# Altium PCB Cyber_VCM_Board.PcbDoc (continued)
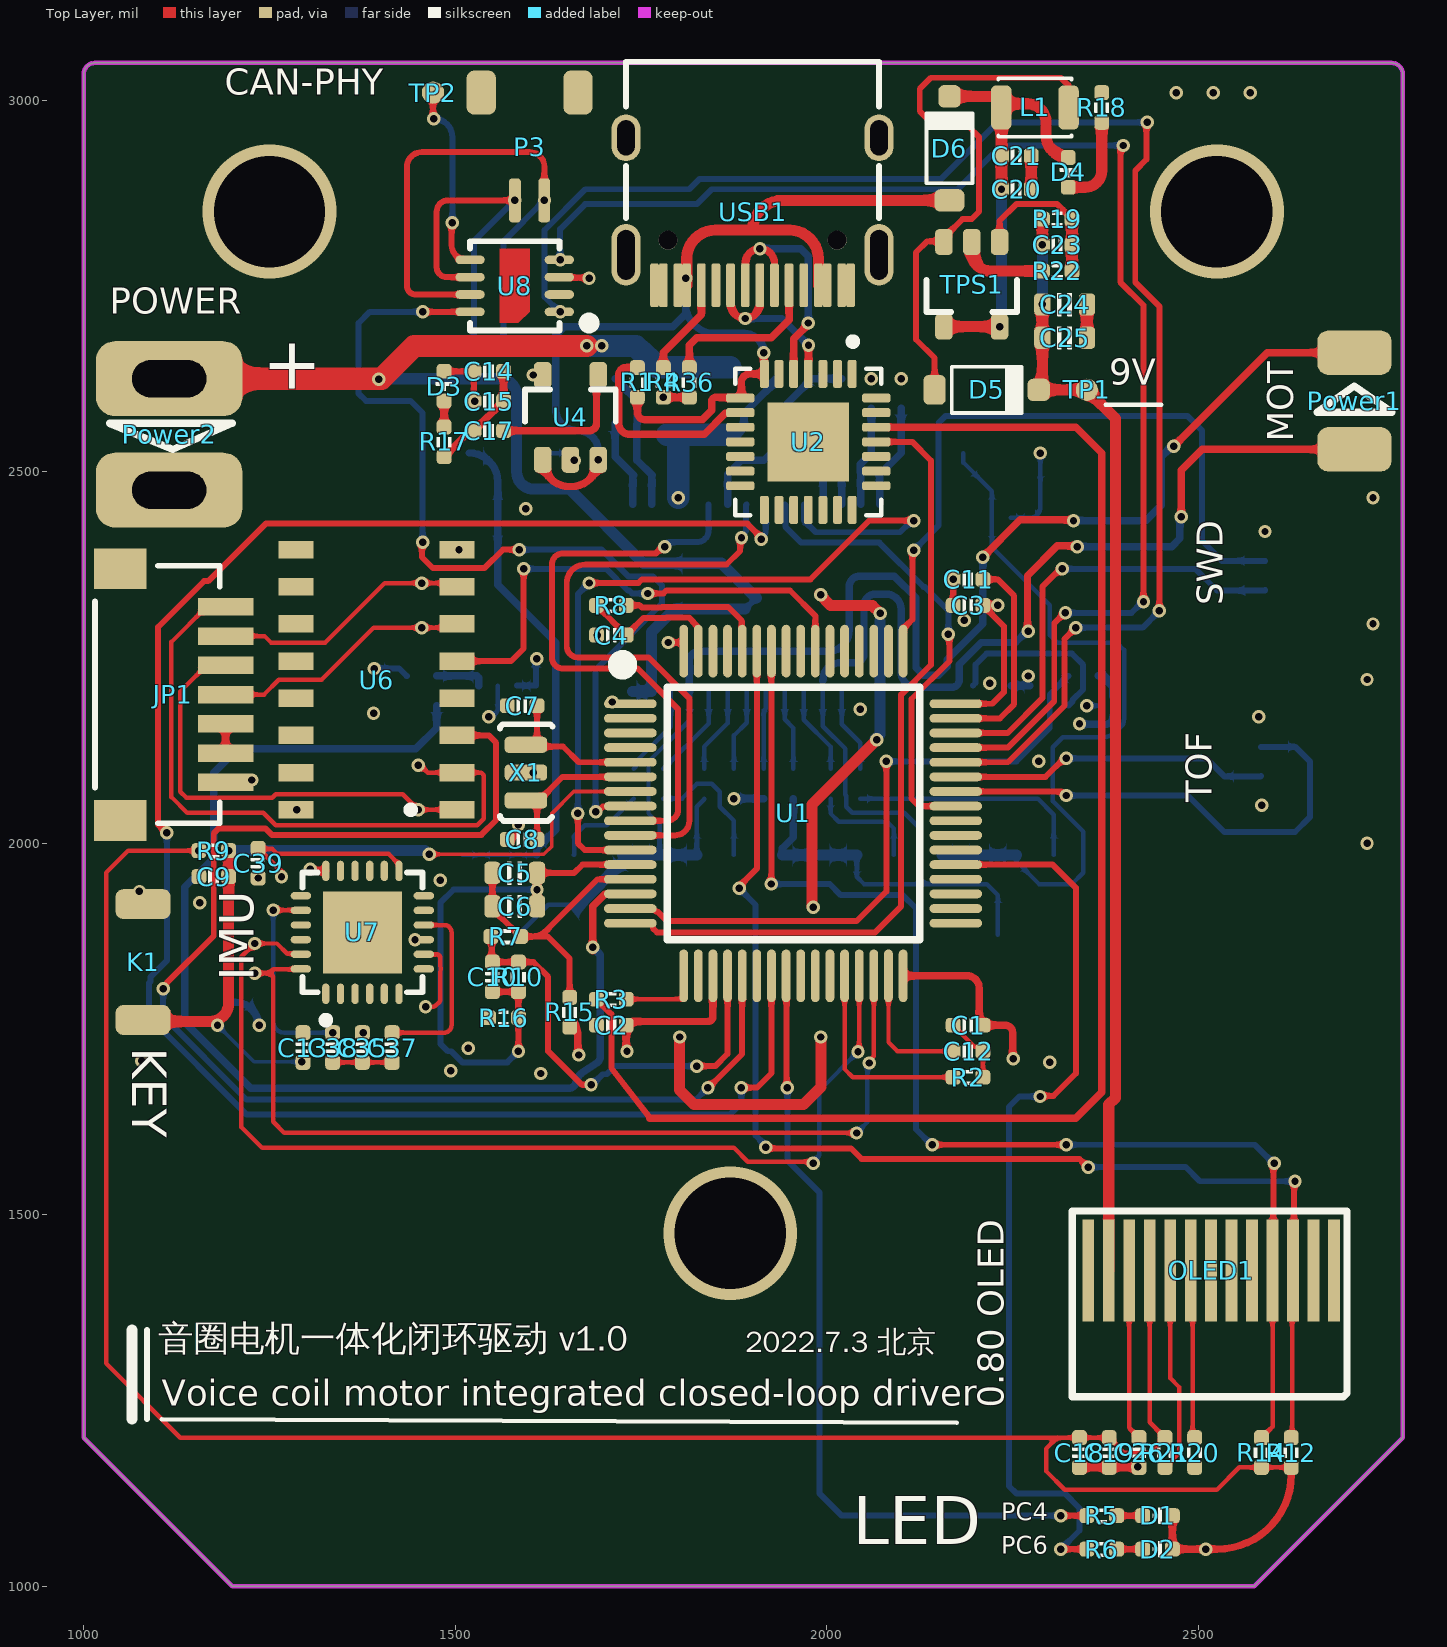
[diagram p0: Top Layer view]
## Footprints (in the part's own frame and the unit in brackets; to place one, negate y for a bottom-side part, rotate by r counter-clockwise, add the part's x,y. Pads: shape width x height; smd on the part's side, far side on the other; paste and mask are expansions set on the pad)
0603-CAP [mil]
  rrect50% 22x30 smd: 1(-30,0) 2(30,0)
  silkscreen extent -10,-15 10,15, body extent -31,-16 31,16, height 31
1206-RES [mil]
  rrect50% 37.64x63.38 smd paste+0 mask+0: 1(-51.22,0) 2(51.22,0)
  silkscreen extent -21,-33 21,33, body extent -61,-31 61,31, height 26
2520-L [mm]
  rrect50% 0.7x1.5 smd: 1(-1.15,0) 2(1.15,0)
  silkscreen extent -1.25,-1 1.25,1, body extent -1,-0.6 1,0.6, height 0.92
ButtonTACT_3x4x2_180 [mil]
  rrect50% 40x74 smd: 1(-78,0) 2(78,0)
  body extent -79,-49 79,49, height 63
CAP_0402 [mil]
  rrect50% 20x20 smd: 1(-20,0) 2(20,0)
  silkscreen extent -6,-9 6,9, body extent -20,-10 20,10, height 20
DFN3x3-8 [mm] "SIT1050TK"
  oval 0.3x1 smd: 1(-0.889,-1.524) 2(-0.296,-1.524) 3(0.296,-1.524) 4(0.889,-1.524) 5(0.889,1.524) 6(0.296,1.524) 7(-0.296,1.524) 8(-0.889,1.524)
  Top Layer region: -1.27,0.508 1.27,0.508 1.27,-0.508 -0.889,-0.508 -1.27,-0.127
  silkscreen extent -1.52,-2.64 1.52,1.52, body extent -1.5,-1.55 1.5,1.55, height 1.06
LED_0402_BLUE [mil]
  rrect50% 20x20 smd: 1(-20,0) 2(20,0)
  silkscreen extent -6,-10 6,10, body extent -20,-10 20,10, height 18
OLED12880 [mm] "OLED12880"
  rect 3.5x0.4 smd: 1(-7.874,3.766) 2(-7.874,3.066) 3(-7.874,2.366) 4(-7.874,1.666) 5(-7.874,0.966) 6(-7.874,0.266) 7(-7.874,-0.434) 8(-7.874,-1.134) 9(-7.874,-1.834) 10(-7.874,-2.534) 11(-7.874,-3.234) 12(-7.874,-3.934) 13(-7.874,-4.634)
  silkscreen extent -12.19,-5.08 -5.84,4.32, body extent -12.75,-6.5 14.97,6, height 1.55
QFN-24 [mm] "QFN, 24-Leads, Body 4.1x4.1mm (max), Pitch 0.50mm, IPC Low Density"
  oval 0.7x0.25 smd: 1(-2.1,1.25) 2(-2.1,0.75) 3(-2.1,0.25) 4(-2.1,-0.25) 5(-2.1,-0.75) 6(-2.1,-1.25) 13(2.1,-1.25) 14(2.1,-0.75) 15(2.1,-0.25) 16(2.1,0.25) 17(2.1,0.75) 18(2.1,1.25)
  oval 0.25x0.7 smd: 7(-1.25,-2.1) 8(-0.75,-2.1) 9(-0.25,-2.1) 10(0.25,-2.1) 11(0.75,-2.1) 12(1.25,-2.1) 19(1.25,2.1) 20(0.75,2.1) 21(0.25,2.1) 22(-0.25,2.1) 23(-0.75,2.1) 24(-1.25,2.1)
  rect 2.8x2.7 smd: ""(0,0)
  silkscreen extent -3.12,-2.05 2.05,2.05, body extent -2.02,-2.02 2.02,2.02, height 0.95
QFN-28 [mil]
  rrect50% 38x12 smd mask+5: 1(-91.5,59.06) 2(-91.5,39.37) 3(-91.5,19.68) 4(-91.5,0) 5(-91.5,-19.68) 6(-91.5,-39.37) 7(-91.5,-59.06) 15(91.5,-59.06) 16(91.5,-39.37) 17(91.5,-19.68) 18(91.5,0) 19(91.5,19.68) 20(91.5,39.37) 21(91.5,59.06)
  rrect50% 12x38 smd mask+5: 8(-59.06,-91.5) 9(-39.37,-91.5) 10(-19.68,-91.5) 11(0,-91.5) 12(19.68,-91.5) 13(39.37,-91.5) 14(59.06,-91.5) 22(59.06,91.5) 23(39.37,91.5) 24(19.68,91.5) 25(0,91.5) 26(-19.68,91.5) 27(-39.37,91.5) 28(-59.06,91.5)
  rect 106.3x110.24 smd: 29(0,0)
  silkscreen extent -140,-99 99,99, body extent -99,-99 98,98, height 35
RES_0402 [mil]
  rrect50% 20x20 smd: 1(-20,0) 2(20,0)
  silkscreen extent -7,-10 7,10, body extent -20,-10 20,10, height 14
RES_0603 [mil]
  rrect50% 22x30 smd: 1(-30,0) 2(30,0)
  silkscreen extent -15,-16 15,16, body extent -31,-16 31,16, height 18
SH1.0-2P [mm]
  rrect50% 0.4x1.5 smd: 1(-0.5,0) 2(0.5,0)
  rrect50% 1x1.5 smd: SH1(-1.651,-3.683) SH2(1.651,-3.683)
  body extent -2,-4.42 2,0.54, height 3.06
SH1.0-3P [mm]
  rrect50% 0.4x1.5 smd: 1(-1,0) 2(0,0) 3(1,0)
  rrect50% 1x1.5 smd: SH1(-2.159,-3.683) SH2(2.159,-3.683)
  body extent -2.5,-4.42 2.5,0.54, height 3.06
SH1.0-4P [mm]
  rrect50% 0.6x1.9 smd: 1(-1.5,1.8) 2(-0.5,1.8) 3(0.5,1.8) 4(1.5,1.8)
  rrect50% 1.4x1.8 smd: SH1(-2.8,-1.8) SH2(2.8,-1.8)
  silkscreen extent -2.9,-2.67 2.9,1.6, body extent -3,-2.79 3,2.16, height 2.96
SH1.0-7P-L [mm]
  rect 1.4x1.8 smd: 0(-4.3,-1.8) 0(4.3,-1.8)
  rect 0.6x1.9 smd: 1(-3,1.8) 2(-2,1.8) 3(-1,1.8) 4(0,1.8) 5(1,1.8) 6(2,1.8) 7(3,1.8)
  silkscreen extent -4.4,-2.67 4.4,1.6, body extent -4.5,-2.79 4.5,2.16, height 2.96
SO8FL [mm] "DFN5 5x6, 1.27P  (SO-8FL)  CASE 488AA"
  rect 0.9x0.6 on Bottom Paste: 7(0,-0.55) 7(0,0.3) 7(0,1.15) 7(0,2) 9(-1.15,-0.55) 9(-1.15,0.3) 9(-1.15,1.15) 9(-1.15,2) 10(1.15,-0.55) 10(1.15,0.3) 10(1.15,1.15) 10(1.15,2)
  rect 0.6x0.9 on Bottom Paste: 11(-1.875,3) 11(-0.65,3) 11(0.65,3) 11(1.875,3)
  rect 4.2x2.2 smd paste-10 mask+0.075: D(0,0) D(0,1.35)
  rect 4.7x1.5 smd paste-10 mask+0.075: D(0,2.75)
  rect 0.7x1.15 smd paste-0.05 mask+0.075: G(1.905,-2.725) S(-1.905,-2.725) S(-0.635,-2.725) S(0.635,-2.725)
  body extent -2.57,-2.95 2.58,3.2, height 1.13
SOD-123 [mil]
  rrect50% 30x40 smd: 1(-70,0)
  rrect50% 30x30 smd: 2(70,0)
  silkscreen extent -47,-31 47,31, body extent -77,-35 77,35, height 46
SOP16 [mm]
  rect 0.6x1.2 smd: 1(-4.318,-2.727) 2(-3.048,-2.727) 3(-1.778,-2.727) 4(-0.508,-2.727) 5(0.762,-2.727) 6(2.032,-2.727) 7(3.302,-2.727) 8(4.572,-2.727) 9(4.572,2.773) 10(3.302,2.773) 11(2.032,2.773) 12(0.762,2.773) 13(-0.508,2.773) 14(-1.778,2.773) 15(-3.048,2.773) 16(-4.318,2.773)
  silkscreen extent -4.44,-1.27 -4.19,-1.02, body extent -4.87,-3 5.13,3, height 1.9
"SOP65 P640X120-8N" [mm]
  rrect25% 1.27x0.381 smd: 1(-2.87,0.975) 2(-2.87,0.325) 3(-2.87,-0.325) 4(-2.87,-0.975) 5(2.87,-0.975) 6(2.87,-0.325) 7(2.87,0.325) 8(2.87,0.975)
  silkscreen extent -2.64,-1.5 2.2,1.62, body extent -3.2,-1.5 3.2,1.5, height 1.2
SOT23-5 [mm] "SOT23, 3-Leads, Body 3.1x3.0mm (max), Pitch 0.95mm, IPC Medium Density"
  rrect50% 0.889x0.6 smd: 1(-1.5,0.95) 2(-1.5,0) 3(-1.5,-0.95) 4(1.396,-0.95) 5(1.396,0.95)
  silkscreen extent -0.2,-1.55 0.9,1.55, body extent -1.48,-1.45 1.32,1.45, height 1.2
TP-R30 [mil]
  round 30 smd paste-30 mask+3: 1(0,0)
  body extent -18,-18 18,18, height 10
TSSOP28_n [mm] "9.8*6.4*1mm（长宽高）"
  rect 1.4x0.3 smd: 1(-3.2,4.225)
  rect 3.048x5.08 smd: 1(0,0)
  oval 1.4x0.3 smd: 2(-3.2,3.575) 3(-3.2,2.925) 4(-3.2,2.275) 5(-3.2,1.625) 6(-3.2,0.975) 7(-3.2,0.325) 8(-3.2,-0.325) 9(-3.2,-0.975) 10(-3.2,-1.625) 11(-3.2,-2.275) 12(-3.2,-2.925) 13(-3.2,-3.575) 14(-3.2,-4.225) 15(3.2,-4.225) 16(3.2,-3.575) 17(3.2,-2.925) 18(3.2,-2.275) 19(3.2,-1.625) 20(3.2,-0.975) 21(3.2,-0.325) 22(3.2,0.325) 23(3.2,0.975) 24(3.2,1.625) 25(3.2,2.275) 26(3.2,2.925) 27(3.2,3.575) 28(3.2,4.225)
  silkscreen extent -3.3,-4.83 2.03,4.96, body extent -3.2,-4.9 3.2,4.9, height 1.03
TX60电源 [mil] "长：18.8mm， 宽：16mm，高：8.6mm"
  rrect50% 100.85x196.85 hole 100 slot 50 at 0 deg: 1(-75,-5) 2(75,-5)
  silkscreen extent -15,-85 20,80
Type-C-TOP [mm]
  round 0.65 hole 0.65: 0(-0.98,2.89) 0(-0.98,-2.89)
  oval 1.6x1 hole 0.6 slot 1.2 at 0 deg: 1(2.52,4.325) 2(2.52,-4.325)
  oval 2.1x1 hole 0.6 slot 1.7 at 0 deg: 3(-1.48,-4.325) 4(-1.48,4.325)
  rrect50% 1.5x0.3 smd: A1(-2.52,-3.35) A4(-2.52,-2.55) A5(-2.52,-1.25) A6(-2.52,-0.25) A7(-2.52,0.25) A8(-2.52,1.25) A9(-2.52,2.55) A12(-2.52,3.35) B1(-2.52,3.05) B4(-2.52,2.25) B5(-2.52,1.75) B6(-2.52,0.75) B7(-2.52,-0.75) B8(-2.52,-1.75) B9(-2.52,-2.25) B12(-2.52,-3.05)
  silkscreen extent -0.22,-4.33 5.12,4.33, body extent -2.57,-4.48 5.18,4.48, height 3.26
主控芯片LQFP64-10*10 [mm] "10x10mm，0.5mm       淘宝ID:黄晶宝石"
  oval 0.3x1.8 smd: 1(-3.75,-5.575) 2(-3.25,-5.575) 3(-2.75,-5.575) 4(-2.25,-5.575) 5(-1.75,-5.575) 6(-1.25,-5.575) 7(-0.75,-5.575) 8(-0.25,-5.575) 9(0.25,-5.575) 10(0.75,-5.575) 11(1.25,-5.575) 12(1.75,-5.575) 13(2.25,-5.575) 14(2.75,-5.575) 15(3.25,-5.575) 16(3.75,-5.575) 33(3.75,5.55) 34(3.25,5.55) 35(2.75,5.55) 36(2.25,5.55) 37(1.75,5.55) 38(1.25,5.55) 39(0.75,5.55) 40(0.25,5.55) 41(-0.25,5.55) 42(-0.75,5.55) 43(-1.25,5.55) 44(-1.75,5.55) 45(-2.25,5.55) 46(-2.75,5.55) 47(-3.25,5.55) 48(-3.75,5.55)
  oval 1.8x0.3 smd: 17(5.55,-3.75) 18(5.55,-3.25) 19(5.55,-2.75) 20(5.55,-2.25) 21(5.55,-1.75) 22(5.55,-1.25) 23(5.55,-0.75) 24(5.55,-0.25) 25(5.55,0.25) 26(5.55,0.75) 27(5.55,1.25) 28(5.55,1.75) 29(5.55,2.25) 30(5.55,2.75) 31(5.55,3.25) 32(5.55,3.75) 49(-5.55,3.75) 50(-5.55,3.25) 51(-5.55,2.75) 52(-5.55,2.25) 53(-5.55,1.75) 54(-5.55,1.25) 55(-5.55,0.75) 56(-5.55,0.25) 57(-5.55,-0.25) 58(-5.55,-0.75) 59(-5.55,-1.25) 60(-5.55,-1.75) 61(-5.55,-2.25) 62(-5.55,-2.75) 63(-5.55,-3.25) 64(-5.55,-3.75)
  silkscreen extent -5.33,-6.09 4.32,4.32, body extent -6,-6 6,6, height 1.45
晶振-3P [mm] "贴片晶振"
  rrect50% 0.55x1.45 smd: 1(-0.95,0) 2(0,0) 3(0.95,0)
  silkscreen extent -1.65,-0.89 1.65,0.91, body extent -1.6,-0.89 1.65,0.89, height 0.7
音圈电机电源接口 [mil]
  rrect50% 60x100 / inner rrect50% 0x0 / far side rrect50% 0x0 all layers, no hole: 1(120,150) 2(250,150)
  silkscreen extent 170,100 205,200

## Part data
C1 C2 C3 C4 C7 C8 C9 C10 C11 C12 C13 C14 C15 C16 C17 C18 C19 C20 C21 C22 C23 C26 C31 C32 C33 C35 C36 C37 C38 C39: library part 电容-0402, "Capacitor"
C5 C6 C24 C25 C27 C30 C34: library part 电容-0603, "Capacitor"
C28 C29: library part 电容-1206, "Capacitor"
D1 D2 D3 D4: library part LED_0402, "LED", Type=0402
D5 D6: "40V"
K1: library part ButtonTACT_3x4x2_180, "Button", Type="TACT 2P"
L1: library part 电感-0805, "磁珠"
OLED1: "12880寸OLED"
P1: "Header"
P2: library part SH1.0-4P, BOM名称=4P接插件, 厂商=JST
Power1 Power2: "12~24VDC电源"
Q1 Q2 Q3 Q4: "MOSFET N-CH 30V 13A SO8FL", Current - Continuous Drain (Id) @ 25°C="13A (Ta), 93A (Tc)", Drain to Source Voltage (Vdss)=30V, Drive Voltage (Max Rds On,  Min Rds On)="4.5V, 10V", Input Capacitance (Ciss) (Max) @ Vds="4850pF @ 15V", Manufacturer="ON Semiconductor", Operating Temperature="-55°C ~ 150°C (TJ)", Package / Case="8-PowerTDFN, 5 Leads", Power Dissipation (Max)="930mW (Ta), 48W (Tc)", Supplier Device Package="5-DFN (5x6) (8-SOFL)", Supplier Part Number 1=NTMFS4935NT1GOSCT-ND, Category="Discrete Semiconductor Products", ComponentLink1Description=http://www.onsemi.com/pub_link/Collateral/NTMFS4935N-D.PDF, ComponentLink1URL=http://www.onsemi.com/pub_link/Collateral/NTMFS4935N-D.PDF, FET Feature=-, FET Type=N-Channel, Gate Charge (Qg) (Max) @ Vgs="49.4nC @ 10V", Manufacturer Part Number=NTMFS4935NT1G, Mounting Type="Surface Mount", Packaging="Cut Tape (CT)", Part Status=Active, Pricing 1="1=0.61, 10=0.541, 100=0.4145, 500=0.3277 (USD)", Rds On (Max) @ Id, Vgs="3.2 mOhm @ 30A, 10V", RoHS="RoHS Compliant", Stock 1=932, Supplier 1=Digi-Key, Technology="MOSFET (Metal Oxide)", Vgs (Max)=±20V, Vgs(th) (Max) @ Id="2.2V @ 250µA"
R1 R2 R3 R4 R5 R6 R8 R9 R10 R11 R12 R13 R14 R15 R16 R17 R18 R19 R20 R21 R22 R25 R26 R27 R28 R29 R30 R31 R32 R33 R36: library part 电阻-0402, "Resistor"
R7: "THERMISTOR 10K OHM NTC 0402 SMD"
R23 R24: library part 电阻-0603, "Resistor"
R34 R35: library part 电阻-1206, "Resistor"
TP1 TP2: "SMD test pin"
U1: "ARM Cortex-M4 32-bit MCU+FPU, 210 DMIPS, 1024 kB Flash, 192 kB Internal RAM, 51 I/Os, 64-pin LQFP, -40 to 85 degC, Tray", I/Os (High Current)=51, Manufacturer=STMicroelectronics, Operating Frequency(F) (Processor speed) (MHz)=168, Supplier Part Number 1=497-11767-ND, Supply Voltage(Vcc) max (V)=3.6, Supply Voltage(Vcc) min (V)=1.8, ComponentLink1Description="Manufacturer URL", ComponentLink1URL=http://www.st.com/web/en/home.html, ComponentLink2Description=Datasheet, ComponentLink2URL=http://www.st.com/st-web-ui/static/active/en/resource/technical/document/datasheet/DM00037051.pdf, ComponentLink3Description="Package Specification", ComponentLink3URL=http://www.st.com/st-web-ui/static/active/en/resource/technical/document/datasheet/DM00037051.pdf, Core="ARM Cortex-M4", D/A Converter=2x12-bit, DatasheetVersion="Rev. 4", FLASH Size (Prog) (kB)=1024, Internal RAM Size (kB)=192, Mounting Technology="Surface Mount", PackageDescription="64-Pin Low Profile Quad Flat Package, 10 x 10 mm Body, 0.5 mm Pitch", PackageReference=LQFP64, PackageVersion="Rev. 4, 06/2013", Packing=Tray, PartNumber=STM32F405RGT6, Supplier 1=Digi-Key, Supplier 2=Farnell, Supplier 3=Newark, Supplier 4=Mouser, Supplier Part Number 2=2064363, Supplier Part Number 3=73T2329, Supplier Part Number 4=511-STM32F405RGT6
U2: "USB转TTL", MFG #1="SILICON LABS", PART DESC="SINGLE-CHIP USB TO UART BRIDGE, QFN28, RoHS.", PART NUMBER=CP2102, RefDes=RefDes, Type=DEV
U3 U5: "-4 to 80V, bidirectional, ultra-precise current sense amplifier with enhanced PWM rejection 8-TSSOP -40 to 125", Package="TSSOP-8 Texas Instruments", Availability=Good, MF="Texas Instruments", MP=INA240A2PWR, Price=None, Purchase-URL=https://pricing.snapeda.com/search/part/INA240A2PWR/?ref=eda, SnapEDA_Link=https://www.snapeda.com/parts/INA240A2PWR/Texas%20Instruments/view-part/588604/?ref=snap
U4: library part LP2992, "LDO"
U6: "AM26C32 Quadruple Differential Line Receiver"
U7: "六轴传感器"
U8: "CAN收发器，DFN3x3-8"
USB1: library part USB-Type-C-TOP
X1: library part XTAL-3215
JP1: BOM名称=7P接插件, 厂商=JST
P4: BOM名称=4P接插件, 厂商=JST

## Via types
v1: diameter 18, hole 10, Top Layer to Bottom Layer, tented both sides, 156 vias
v2: diameter 180, hole 150, Top Layer to Bottom Layer, 3 vias

## Nets (pads, with @x,y where several pads share a name; then routed paths per layer and width w, separated by ;. In a path a pad name is that pad's centre, name@x,y a point inside that pad or via, vN(x,y) a via of type N, cw(c..) or ccw(c..) an arc to the next point about the centre after c; other vN are vias at no path point)
3V3: C1.2 C2.2 C3.2 C4.2 C14.2 C15.2 C16.2 C18.2 C19.2 C22.2 C27.2 C35.1 C39.2 D1.1 D2.1 D3.1 JP1.7 OLED1.4 P2.1 P4.1 R9.1 R12.2 R14.2 R15.2 R21.2 U1.1 U1.19 U1.32 U1.48 U1.64 U3.5 U3.6 U4.5 U5.5 U5.6 U6.16 U7.8 U7.13 U8.3 | length 4742.1
  Top Layer w4: C2.2 cw(c1735,1755) C2.2@1735,1760 ; C1.2@2205,1760 ccw(c2210,1760) C1.2
  Top Layer w6: v1(1155,1990) 1060,1990 1030,1960 1030,1300 1130,1200 2310,1200 ; C39.2 C39.2@1235.58,1992.2 ; v1@1265,1955 1265,1962.78 C39.2@1235.58,1992.2 ; U7.13 1424.21,1971.54 1410.29,1985.46 1260.44,1985.46 1253.69,1992.2 C39.2@1235.58,1992.2 ; U7.8 1474.53,1850.47 cw(c1474.53,1845) 1480,1845 1480,1834.99 ccw(c1486,1835.03) 1480.13,1833.78 cw(c1466.54,1830.79) 1480.13,1827.8 ccw(c1486,1826.55) 1480,1826.58 1480,1790.27 cw(c1474,1790.27) 1478.26,1786.05 1473.95,1781.74 cw(c1469.73,1786) 1469.73,1780 v1(1460,1780) ; OLED1.4 2434.41,1220.59 R21.2 2435,1180 2400,1180 C19.2 C18.2 2310,1200 ; R12.2 R14.2 2555,1160 2525,1130 2320,1130 2295,1155 2295,1185 2310,1200
  Top Layer w8: D3.1 C14.2 C15.2 ; U8.3 1640.73,2760.94 1679.06,2760.94 v1(1680,2760) ; v1(1786.75,2270) 1805.6,2270 1807.36,2268.24 U1.64 ; U1.48 2222.64,2187.64 2238.11,2203.11 2238.11,2291.89 C3.2
  Top Layer w10: R15.2 cw(c1653.99,1741.41) 1665,1741.41 v1@1665,1715 ; v1@1730,1720 C2.2 ; C2.2@1735,1760 1840,1760 ccw(c1840,1766.73) 1846.73,1766.73 U1.19 ; U1.32 2188.5,1821.5 cw(c2188.5,1805) 2205,1805 C1.2@2205,1760 ; C1.2 2240,1755 cw(c2240,1745) 2250,1745 v1@2250,1710 ; C3.2 v1(2230,2320) ; D1.1 D2.1 v1(2510,1050) 2525,1050 ccw(c2525,1150) 2625,1150 R12.2
  Bottom Layer w4: P4.1 P4.1@1204.06,1785.94 ; v1(2340,2160.5) v1@2340.5,2160
  Bottom Layer w8: C27.2 1424.46,2235 1434.46,2225 C22.2 ; U3.6 U3.5 v1@1608.39,2248.39
  Bottom Layer w10: P4.1@1204.06,1785.94 cw(c1204.06,1755) v1@1235,1755 ; U5.6 U5.5 ; v1@2340.5,2160 2375,2160 ccw(c2375,2170) 2384.99,2169.52 cw(c2394.97,2168.96) 2386,2173.37 2386,2196.63 2385,2197.63 2385,2200.99 2385,2205 ccw(c2365,2205) C16.2
  other v1: 2251.1,1709.96 1666.1,1714.96 1731.1,1719.96 1376.1,1744.96 1236.1,1754.96 1266.1,1954.96 1286.92,2044.96 1226.1,2084.96 2581.1,2169.96 1711.1,2189.96 2271.11,2224.96 1391.1,2234.96 1609.48,2248.35 1691.1,2279.96 1526.1,2594.96 1605,2630
5V: C20.2 C21.2 D4.1 D6.2 L1.1 TPS1.4 TPS1.5 | length 591.2
  Top Layer w15: TPS1.4 v1(2232.4,2695.06) ; D6.2 2219.72,3005 cw(c2219.72,2990) L1.1 ; v1(2235,2880) C21.2 2235,2990 L1.1 ; D4.1 cw(c2324.93,2952.56) 2295,2952.56 2295,2970 ccw(c2270,2970) 2270,2995 2239.72,2995 ccw(c2239.72,2990) L1.1
  Bottom Layer w15: v1(2232.4,2695.06) 2232.4,2695.87 2235,2698.47 v1(2235,2880)
9V: C23.2 C24.2 C25.2 D5.2 OLED1.2 R19.2 TP1.1 | length 1502.6
  Top Layer w15: v1(2290,2725) C25.2 2290,2615 cw(c2285,2615) D5.2 2290,2610 TP1.1 2388.5,2571.5 2388.5,1657.34 2379.29,1648.13 OLED1.2 ; v1(2290,2805) R19.2
  Bottom Layer w15: v1(2290,2725) v1(2290,2805)
A+: JP1.3 R23.2 U6.1 | length 596.6
  Top Layer w6: JP1.3 1165.27,2239.37 1130,2204.1 1130,2069.33 1138.25,2061.08 1253.75,2061.08 1258.48,2065.81 1429.19,2065.81 v1(1450,2045) U6.1
A-: JP1.1 R23.1 U6.2 | length 893.7
  Top Layer w6: JP1.1 1165.28,2318.11 1118,2270.84 1118,2062 1139,2041 1241.67,2041 1258.48,2024.19 1529.71,2024.19 1538.5,2032.98 1538.5,2091.49 1534.98,2095 U6.2 1463.25,2095 1453.25,2105 v1(1450,2105)
AGND: C5.1 C6.1 C10.1 R10.1 R16.1 U1.12 | length 738.9
  Top Layer w8: C10.1 R10.1 R16.1 v1(1585,1720) ; C6.1 v1(1610,1937.5) C5.1 1660,1960 1671.1,1971.1 U1.12
  Bottom Layer w8: v1(1585,1720) 1570.02,1705.02 1509.6,1705.02 1494.61,1720 1490,1720 1480,1730 1480,1920 1497.5,1937.5 v1(1610,1937.5)
AVCC: C5.2 C6.2 R7.2 R15.1 U1.13 | length 385.4
  Top Layer w8: C5.2 C6.2 1550,1911.75 1587.37,1874.39 R7.2 1614.39,1874.39 ; R15.1 1653.99,1844.79 1624.39,1874.39 1614.39,1874.39 ; U1.13 1691.42,1951.42 1614.39,1874.39
AVCC_C: C10.2 R7.1 R10.2 U1.20 | length 600.8
  Top Layer w8: R7.1 1548.95,1873.34 1548.95,1841.05 C10.2 R10.2 1605,1840 1625,1820 1625,1720 1670,1675 v1(1682.72,1675) ; v1(1825,1700) 1850,1700 1866.42,1716.42 U1.20
  Bottom Layer w8: v1(1682.72,1675) 1684.34,1675 1698.38,1689.04 1704.04,1689.04 1715,1700 v1(1825,1700)
B+: JP1.4 R24.2 U6.6 | length 350.8
  Top Layer w6: JP1.4 1242.63,2200 1262.63,2220 1320,2220 1390,2290 v1(1455,2290) 1497.36,2290 U6.6
B-: JP1.2 R24.1 U6.7 | length 350.3
  Top Layer w6: JP1.2 1243.26,2278.74 1252,2270 1325,2270 1405,2350 v1(1455,2350) 1497.36,2350 U6.7
BAT: *1.1 *1.13 *1.14 C28.2 C29.2 Power2.1 Q1.D Q2.D | length 2610.4
  Top Layer w15: v1(1801.94,1739.12) 1801.94,1668.06 1821.5,1648.5 1968.5,1648.5 1991.94,1671.94 v1(1991.94,1739.12) ; v1@1980,1914.89 1980,2052.18 v1(2066.94,2139.12) ; v1@1990,2335 2005,2320 2061.06,2320 v1(2071.94,2309.12)
  Top Layer w30: Power2.1 1400.67,2625 1444.79,2669.12 v1(1676.94,2669.12)
  Bottom Layer w6: *1.1@1890,2315 *1.1@1905,2330
  Bottom Layer w15: v1@1395,2625 1559.54,2625 cw(c1559.54,2601.95) 1582.59,2601.95 1582.59,2499.54 ccw(c1605.64,2499.54) 1605.64,2476.49 1653.51,2476.49 1753.38,2376.62 1858.38,2376.62 *1.1@1905,2330 ; *1.14 *1.13 1764.25,2284.25 1795,2315 *1.1@1890,2315 ; v1@2065,2140 2071.34,2146.34 2071.34,2204.02 2071.34,2298.66
  Bottom Layer w30: v1(1676.94,2669.12) v1(1696.94,2669.12) 1742.85,2669.12 1771.69,2640.28 C29.2 C28.2
  other v1: 1981.94,1914.01 1991.94,2334.12 1396.94,2624.12
BOOT0: R8.2 U1.60 | length 206
  Top Layer w8: R8.2 1748.22,2320 1751.22,2317 1777.21,2317 1778.14,2317.94 1867.06,2317.94 1885.37,2299.63 1885.37,2259.23 U1.60
BOOT1: R2.2 U1.28 | length 276.1
  Top Layer w6: U1.28 2023.9,1696.1 2035,1685 R2.2
CAN_H: P3.1 R31.2 U8.7 | length 722.7
  Top Layer w8: 1485.56,2738.31 1446.69,2738.31 cw(c1446.69,2750) 1435,2750 1435,2910 cw(c1455,2910) 1455,2930 1600,2930 cw(c1600,2910) 1620,2910 1620,2865.31 P3.1 v1(1620,2865) ; 1485.58,2738.33 U8.7
  Bottom Layer w8: R31.2 1565,2810 v1(1620,2865)
CAN_L: P3.2 R31.1 U8.6 | length 459.3
  Top Layer w8: U8.6 1488.31,2761.69 cw(c1488.31,2775) 1475,2775 1475,2850 cw(c1490,2850) 1490,2865 v1(1580,2865) P3.2
  Bottom Layer w8: R31.1 1525,2810 v1(1580,2865)
CAN_RX: U1.44 U8.1 | length 2073.9
  Top Layer w8: U1.44 2243.7,2108.9 2320,2185.2 2320,2275 v1(2335,2290) ; v1@2430,2970 2430,2920 2415,2905 2415,2754.8 2447.49,2722.3 v1(2447.49,2312.56)
  Bottom Layer w8: v1@1640,2715 1620,2735 1620,2825 1675,2880 1815,2880 1829,2894 2154,2894 2229.96,2969.96 v1(2431.1,2969.96) ; v1(2335,2290) 2425,2290 v1@2445,2310
  other v1: 1641.1,2714.96
CAN_TX: U1.45 U8.4 | length 1867.1
  Top Layer w8: U1.45 2243.58,2128.58 2306,2191 2306,2296 v1@2320,2310 ; v1@2395,2940 2395,2755 2426.1,2723.9 v1(2426.1,2324.96)
  Bottom Layer w8: v1@1640,2785 1641.1,2786.1 1641.1,2826.3 1674.8,2860 1825,2860 1845,2880 2176.03,2880 2234.89,2938.86 v1(2398.63,2938.86) ; v1(2321.1,2309.96) 2409.96,2309.96 v1@2425,2325
  other v1: 1641.1,2784.96
CP_Rx: U1.16 U2.25 | length 1087.5
  Top Layer w8: U1.16 1763.99,1892.36 1765.75,1890.6 1765.75,1885.6 1771.36,1880 2065,1880 2100,1915 2100,2199.8 2140,2239.8 2140,2515 2115,2540 U2.25
CP_Tx: R3.1 U1.17 | length 106.8
  Top Layer w6: R3.1 1803.82,1790 1807.36,1793.54 U1.17
Encode_A: U1.21 U6.3 | length 1785.9
  Top Layer w8: v1@1105.11,1805 1111.94,1811.83 1111.94,1811.94 1175,1875 1175,2013.16 1181.84,2020 1244.28,2020 1253.09,2011.19 1535.1,2011.19 1555,2031.09 1555,2135 1545,2145 U6.3 ; v1(1840,1671) 1840.8,1671 1886.1,1716.3 U1.21
  Bottom Layer w8: v1(1106.94,1804.12) 1106.94,1766.85 1218.79,1655 1824,1655 v1(1840,1671)
Encode_B: U1.55 U6.5 | length 674.3
  Top Layer w8: U6.5 1575,2245 1591.94,2261.94 v1(1591.94,2369.12) ; v1(1759.09,2336) 1780.09,2336 1784.09,2340 1950.46,2340 1984.53,2305.94 U1.55
  Bottom Layer w8: v1@1590.88,2369.12 1703.12,2369.12 1732.24,2340 1734.09,2340 1738.09,2336 v1(1759.09,2336)
GHA: *1.10 R25.1 | length 129.3
  Bottom Layer w6: R25.1 1841.02,2161.02 *1.10
GHB: *1.5 R26.1 | length 118.9
  Bottom Layer w6: *1.5 1968.98,2166.02 2005,2130 R26.1
GLA: *1.12 R29.1 | length 124.8
  Bottom Layer w6: R29.1 1745.77,2105.77 1745.77,2112.53 1790,2156.77 1790,2203.86 *1.12
GLB: *1.3 R30.1 | length 114.3
  Bottom Layer w6: *1.3 2020.16,2159.84 2045,2135 R30.1
IS_A: Q3.S R34.2 U3.2 | length 705.5
  Bottom Layer w6: Q3.S@1509.72,1984.09 1559.72,1984.09 Q3.S@1609.72,1984.09
  Bottom Layer w10: R34.2 cw(c1518.78,2486.57) 1557.2,2486.57 U3.2 1557.2,2347.8 1635,2270 1635,2018.23 1609.72,1992.95 Q3.S@1609.72,1984.09
IS_B: *1.2 *1.17 *1.18 C1.1 C2.1 C3.1 C4.1 C7.1 C8.1 C9.1 C11.1 C12.1 C13.2 C14.1 C15.1 C16.1 C17.2 C18.1 C19.1 C20.1 C21.1 C22.1 C24.1 C25.1 C26.1 C27.1 C28.1 C29.1 C32.1 C33.1 C34.1 C35.2 C37.2 C38.1 C39.1 JP1.5 JP1.6 K1.2 OLED1.7 OLED1.9 OLED1.12 P1.1 P1.SH1 P1.SH2 P2.4 P2.SH1 P2.SH2 P4.4 P4.SH1 P4.SH2 Power2.2 R2.1 R4.2 R8.1 R16.2 R17.2 R18.2 R20.2 R22.1 R32.1 R33.1 R34.1 R35.1 R36.2 TPS1.2 U1.18 U1.63 U2.3 U2.29 U3.3 U3.4 U3.7 U4.2 U5.3 U5.4 U5.7 U6.8 U7.1 U7.9 U7.11 U7.18 U8.2 USB1.1 USB1.2 USB1.3 USB1.4 USB1.A1 USB1.A12 USB1.B1 USB1.B12 X1.2 | length 1532.6
  Top Layer w6: C38.1 C35.2 C37.2 ; C8.1 ccw(c1570,2020) 1585,2020 v1(1585,2025) ; C1.1 2199.23,1725.77 2204.23,1725.77 C12.1 R2.1
  Top Layer w8: R8.1 C4.1 1753,2303 1783.01,2303 1783.94,2303.94 1813.95,2303.94 1826.32,2291.57 1826.32,2259.23 U1.63 ; C3.1 v1(2170,2355)
  Top Layer w10: JP1.6 JP1.5 ; v1(1305,1965) ccw(c1307.32,1965) 1307.32,1962.68 U7.18 ; R17.2 1515,2550 1520,2550 C17.2 C15.1 C14.1 ; v1(1780,2600) R36.2 ; C18.1 C19.1 C26.1
  Top Layer w15: TPS1.2 2195,2795 ccw(c2220,2795) 2220,2770 R22.1 ; C20.1 C21.1 ; C25.1 C24.1
  Bottom Layer w6: v1(1545,2170) ccw(c1545,2182.2) 1557.2,2182.2 U3.7 ; R34.1 1650,2525 cw(c1650,2515) v1(1660,2515) ; U5.3 U5.4 ccw(c2273.39,2451.93) 2287.32,2451.93 v1(2287.32,2524.96) ; v1(2350,2185) C16.1
  Bottom Layer w10: C28.1 1879.87,2549.72 1888.5,2558.36 1888.5,2578.5 1925.31,2615.31 1925.31,2619.04 1931.27,2625 C34.1 ; v1(1875,2060) C33.1
  Bottom Layer w30: v1(1800,2465) 1800,2534.72 ccw(c1785,2534.72) C29.1 C28.1
  other v1: 2418.63,1160.71 1615,1690 1493.87,1693.87 2300,1705 1078.24,1706.93 1517.47,1724.02 1445.76,1870.16 1156,1920 1075,1935 1480,1950 1234.69,1953.09 2726.96,1999.73 2585.23,2050.91 1605,2095 2285,2110 1390,2175 2045,2180 2219.11,2215 2726.96,2220.2 2735,2295 2185,2300 1505,2395 2589.66,2419.4 1595,2450 2735,2465 2060,2625 2100,2625 2470,3010 2520,3010 2570,3010
IX_A: Q4.S R35.2 U5.2 | length 1011.8
  Bottom Layer w6: R35.2 2183.78,2512.13 2222.2,2473.7 U5.2 2222.2,2398.25 2300,2320.46 2300,2280 2310,2270 2390,2270 2400,2260 2400,2167.5 2399,2160.06 2384.94,2146 2375,2142.5 2372.51,2142.5 2317.5,2142.5 2303.94,2128.94 2303.94,2056.66 2345,2015.6 2345,1960 2330,1945 2285.51,1945 2255.28,1975.24 Q4.S@2255.28,1984.09
  Bottom Layer w15: Q4.S@2155.28,1984.09 2205.28,1984.09 Q4.S@2255.28,1984.09
LED1: R5.2 U1.24 | length 1087.5
  Top Layer w8: U1.24 1945.89,1820.77 1945.89,1672.05 v1(1946.94,1671) ; v1(2315,1095) R5.2
  Bottom Layer w8: v1(1946.94,1671) 1946.94,1573.06 1990,1530 1990,1125 2020,1095 v1(2315,1095)
LED2: R6.2 U1.37 | length 1252.4
  Top Layer w8: U1.37 2303.9,1971.1 2335,1940 2335,1690 2305,1660 v1@2285,1660 ; v1(2315,1050) R6.2
  Bottom Layer w8: v1(2286.94,1659.12) 2259.12,1659.12 2245,1645 2245,1135 2255,1125 2320,1125 2340,1105 2340,1075 v1(2315,1050)
MPU_SCL: P4.3 U1.29 U7.23 | length 1390.7
  Top Layer w6: U7.23 1291.59,1851.21 1273.79,1851.21 1260,1865 v1(1230,1865) 1212,1847 1212,1618 1240,1590 1875,1590 1893.58,1571.42 1979.64,1571.42 v1(1981.94,1569.12) ; v1@2040,1720 2043.58,1723.58 U1.29
  Bottom Layer w6: v1@1980,1570 1990,1580 1990,1667.18 v1(2041.94,1719.12)
MPU_SDA: P4.2 U1.30 U7.24 | length 1279.1
  Top Layer w6: v1(1230,1825) 1250,1825 ; U7.24 1291.59,1830.05 1255.05,1830.05 1250,1825 ; v1(2040,1610) 1270,1610 1255,1625 1255,1820 1250,1825 ; v1@2055,1705 2063.27,1713.27 U1.30
  Bottom Layer w6: v1(2040,1610) 2050,1620 2054.64,1624.64 2054.64,1701.82 v1(2056.94,1704.12)
Net*1_6: *1.6 C36.2 | length 108.8
  Bottom Layer w6: *1.6 1943.39,2166.61 1955,2155 C36.2
Net*1_7: *1.7 C33.2 | length 105.2
  Bottom Layer w6: C33.2 1915,2178 1917.8,2180.79 *1.7
Net*1_8: *1.8 C32.2 | length 111.1
  Bottom Layer w6: C32.2 1875,2145 1892.2,2162.2 *1.8
Net*1_9: *1.9 C31.1 | length 117.1
  Bottom Layer w6: C31.1 1835,2130 1866.61,2161.61 *1.9
Net*1_15: *1.15 C30.2 | length 119.9
  Bottom Layer w10: C30.2 1715,2520 1740,2495 1739.01,2494.01 1739.01,2456.33 *1.15
Net*1_16: *1.16 C30.1 | length 192.7
  Bottom Layer w10: C30.1 1718.73,2625 1724.69,2619.04 1724.69,2615.31 1745,2595 1745,2564.55 1744.47,2564.02 1744.47,2515.53 1765,2495 1764.6,2494.6 1764.6,2456.33 *1.16
Net*1_20: *1.20 C34.2 R27.2 R28.2 | length 273.6
  Bottom Layer w10: *1.20 1866.61,2496.61 1885,2515 1915,2515 1935,2535 C34.2 1935,2580 R28.2 R27.2
Net*1_25: *1.25 R28.1 | length 135.4
  Bottom Layer w10: R28.1 1980,2525 1995,2510 1995,2498.56 1994.91,2498.48 1994.91,2456.33 *1.25
Net*1_26: *1.26 R27.1 | length 129.1
  Bottom Layer w10: R27.1 2020.08,2584.92 2020.08,2456.07 *1.26
Net*1_27: *1.27 R32.2 | length 135.5
  Bottom Layer w10: *1.27 2045.4,2456.33 2045.4,2498.48 2045,2498.88 2045,2510 2060,2525 R32.2
Net*1_28: *1.28 R33.2 | length 142
  Bottom Layer w10: *1.28 2070.99,2456.33 2070.99,2494.01 2070,2495 2100,2525 R33.2
NetC11_2: C11.2 U1.47 | length 283.6
  Top Layer w8: U1.47 2232.95,2167.95 2252.11,2187.11 2252.11,2332.89 2230,2355 C11.2
NetC12_2: C12.2 U1.31 | length 181.5
  Top Layer w6: U1.31 2082.95,1732.05 2095,1720 C12.2
NetC17_1: C17.1 U4.4 | length 196.6
  Top Layer w10: C17.1 1680,2555 ccw(c1680,2565) 1690,2565 1690,2627.54 U4.4
NetC23_1: C23.1 R19.1 R22.2 TPS1.1 | length 213.6
  Top Layer w8: TPS1.1 2232.4,2837.4 2255,2860 2310,2860 R19.1
  Top Layer w15: R22.2 C23.1 R19.1
NetC26_2: C26.2 OLED1.3 | length 230.4
  Top Layer w6: OLED1.3 2406.85,1213.15 C26.2
NetC37_1: C37.1 U7.10 | length 253.6
  Top Layer w6: C37.1 1485,1745 ccw(c1485,1755) 1495,1755 1495,1880 ccw(c1485.16,1880) 1485.16,1889.84 U7.10
NetC38_2: C38.2 U7.20 | length 276.1
  Top Layer w6: v1(1255,1910) 1255.24,1909.76 1292.09,1909.76 U7.20
  Bottom Layer w6: v1(1255,1910) 1255,1760 ccw(c1270,1760) 1270,1745 v1(1335,1745)
NetD1_2: D1.2 R5.1 | length 35
  Top Layer w8: R5.1 D1.2
NetD2_2: D2.2 R6.1 | length 30
  Top Layer w8: R6.1 D2.2@2420,1050
NetD3_2: D3.2 R17.1 | length 35
  Top Layer w10: R17.1 D3.2
NetD4_2: D4.2 R18.1 | length 122.8
  Top Layer w15: D4.2 2347.63,2882.63 ccw(c2347.63,2905) 2370,2905 R18.1
NetD5_1: D5.1 L1.2 TPS1.3 | length 742.1
  Top Layer w8: D5.1 2145,2652.87 2120,2677.87 2120,2795 2135,2810 2156.65,2810 TPS1.3 2157.6,2814.74 2182.85,2840 2195,2840 2205,2850 2205,2950 2190,2965 2145,2965 2125,2985 2125,3015 2140,3030 2315,3030 2325,3020
NetOLED1_5: OLED1.5 R21.1 | length 277.9
  Top Layer w6: R21.1 2474,1179 2474,1268.14 2461.97,1280.17 OLED1.5
NetOLED1_6: OLED1.6 R20.1 | length 227.3
  Top Layer w6: OLED1.6 2492.26,1422.26 2492.26,1202.74 R20.1
NetQ1_G: Q1.G R25.2 | length 181.6
  Bottom Layer w6: R25.2 1805.2,2060 1825.2,2080 1845,2080 1856,2069 1856,2049.2 1875,2030.2 Q1.G
NetQ2_G: Q2.G R26.2 | length 149.3
  Bottom Layer w6: R26.2 2005,2040 2016,2029 2081,2029 2090.28,2019.72 Q2.G
NetQ3_G: Q3.G R29.2 | length 126.7
  Bottom Layer w6: Q3.G 1660,1984.37 1660,2010 1674.11,2024.11 1704.11,2024.11 R29.2
NetQ4_G: Q4.G R30.2 | length 323.5
  Bottom Layer w6: R30.2 2283.63,2060 2305.28,2038.35 Q4.G
NetR1_2: R1.2 U2.9 | length 279.9
  Top Layer w10: R1.2 1730,2640 ccw(c1730,2630) 1720,2630 1720,2565 ccw(c1735,2565) 1735,2550 1835.02,2550 1863.39,2578.37 1882.5,2578.37 U2.9
NetR3_2: R3.2 U2.26 | length 1986.4
  Top Layer w8: R3.2 1710,1770 1710,1697.54 1761.89,1630
  Top Layer w10: 1761.89,1630 2335,1630 2370,1665 2370,2525 2335.32,2559.68 U2.26
NetR4_1: R4.1 USB1.B5 | length 132
  Top Layer w10: R4.1 1780,2660 1831.1,2711.1 USB1.B5
NetR11_1: R11.1 U3.8 | length 68.1
  Bottom Layer w10: R11.1 1529.11,2225 1531.61,2222.5 U3.8
NetR13_1: R13.1 U5.8 | length 250.1
  Bottom Layer w8: U5.8 2200.11,2215.51 2200.11,2240.17 2214.94,2255 2330,2255 2345,2240 2345,2206.87 2330.38,2192.25 2330.38,2190.38 R13.1
NetR36_1: R36.1 USB1.A5 | length 225
  Top Layer w10: R36.1 1815,2670 1825,2680 1925,2680 1949.21,2704.21 USB1.A5
NetTP2_1: TP2.1 U8.5 | length 257.5
  Top Layer w8: TP2.1 1470,2976.06 ccw(c1471.1,2976.06) v1(1471.1,2974.96) ; v1@1495,2835 1495,2805 ccw(c1515,2805) 1515,2785 U8.5
  Bottom Layer w8: v1@1470,2975 v1(1471.1,2974.96) cw(c1471.1,2950) 1496.1,2950 v1(1496.1,2834.96)
OSC_IN: C7.2 U1.5 X1.1 | length 213.9
  Top Layer w8: C7.2 1610,2139.12 1603.28,2132.4 X1.1 1597.4,2130 1645,2130 1666.1,2108.9 U1.5
OSC_OUT: C8.2 U1.6 X1.3 | length 189.7
  Top Layer w8: C8.2 1610,2055 1610.12,2055 1644.33,2089.21 U1.6
PHASE: *1.19 U1.9 | length 803.8
  Top Layer w8: U1.9 1785.16,2030.16 ccw(c1785.16,2045) 1800,2045 1800,2180.31 1745.31,2235 1645,2235 cw(c1645,2250) 1630,2250 1630,2375 cw(c1645,2375) 1645,2390 1770,2390 v1@1780,2400
  Bottom Layer w8: v1(1781.94,2399.12) cw(c1787.82,2399.12) 1787.82,2405 1825,2405 ccw(c1825,2421.02) 1841.02,2421.02 *1.19
PWMH: *1.23 U1.41 | length 635.1
  Top Layer w8: v1(2163.62,2281.21) 2165,2279.83 2165,2245 2114,2194 2114,2060 2124.16,2049.84 U1.41
  Bottom Layer w8: *1.23 1944.11,2455.26 1944.11,2425.89 1965.57,2404.43 2070.57,2404.43 2130.25,2344.75 2131.85,2344.75 2163.62,2312.98 v1(2163.62,2281.21)
PWML: *1.22 U1.23 | length 2524.5
  Top Layer w8: v1@1110,2015 1100,2025 1100,2290.6 1161.9,2352.5 1167.5,2352.5 1245,2430 1893.04,2430 1911.94,2411.1 v1(1911.94,2409.12) ; v1(1885,1671) 1906,1671 1925.47,1690.47 U1.23
  Bottom Layer w8: v1(1111.94,2014.12) 1111.94,1841.94 1090,1820 1090,1814.05 1087.94,1811.99 1087.94,1766.05 1218.87,1635.12 1870.12,1635.12 1885,1650 v1(1885,1671) ; v1@1910,2410 1917.8,2417.8 *1.22
RESET: C9.2 C13.1 K1.1 R9.2 U1.7 | length 1072.5
  Top Layer w5: v1(1465,1985) 1619.09,1985 1630,1995.91 1630,2040 1659.53,2069.53 U1.7
  Top Layer w15: K1.1 1082,1760 1170,1760 ccw(c1170,1785) 1195,1785 C9.2 v1(1195,1990)
  Bottom Layer w5: v1(1180,1755) 1229.29,1705.71 v1(1293.63,1705.71)
  Bottom Layer w15: v1(1195,1990) 1459.19,1990 1464.19,1985 v1(1465,1985)
RET: *1.24 U1.11 | length 1083.5
  Top Layer w8: v1(1665,2040) 1665,2000 1674.21,1990.79 U1.11 ; v1(1680,2350.12) 1746.34,2350.12 1751.22,2355 1977.94,2355 2057.06,2434.12 v1(2116.94,2434.12)
  Bottom Layer w8: v1(1665,2040) 1665,2335.12 v1(1680,2350.12) ; *1.24 1968.98,2434.33 1984.88,2418.43 2098.43,2418.43 v1@2115,2435
SA: *1.11 C31.2 Power1.2 Q1.S Q3.D | length 2028.8
  Top Layer w10: v1(2210,2385) 2260,2435 v1@2330,2435 ; v1(2466.94,2534.12) 2592.82,2660 Power1.2
  Bottom Layer w6: Q3.D@1584.72,1876.81 1625.03,1917.12 Q3.D@1666.88,1917.12 ; Q1.S@1725,1975.24 Q1.S@1725,1984.09 ; Q1.S@1775,1984.09 1775,2025 1760,2040 1760,2109.8 1815.43,2165.23 *1.11 ; Q1.S@1825,1984.09 1825,2048.92 1835,2058.92 C31.2
  Bottom Layer w10: *1.11 1815,2204.02 1815,2245 cw(c1828,2245) 1828,2258 2001.69,2258 ccw(c2001.69,2286.31) 2030,2286.31 2030,2345 cw(c2044.12,2345) 2044.12,2359.12 2090.88,2359.12 2120,2330 2120,2235.86 2129.86,2226 2150,2226 2162.11,2238.11 2162.11,2247.09 2210,2294.98 v1(2210,2385) ; v1(2331.94,2434.12) 2429.12,2434.12 2450,2455 2450,2520 v1@2465,2535
  Bottom Layer w15: Q3.D@1666.88,1917.12 Q1.S@1725,1975.24 ; Q1.S@1725,1984.09 1775,1984.09 Q1.S@1825,1984.09
SB: *1.4 C36.1 Power1.1 Q2.S Q4.D | length 1996.9
  Top Layer w10: v1(2271.11,2285) 2270,2286.11 2270,2360 2310,2400 v1@2335,2400 ; v1(2476.94,2439.12) 2476.94,2501.94 2505,2530 Power1.1
  Bottom Layer w6: *1.4@1994.57,2218.57 *1.4 1994.57,2157.4 2025,2126.97 2025,2065 2026,2064 2026,2049.2 2034.2,2041 2104,2041 2126.25,2018.75 2126.25,1951.25 2132.5,1945 ; Q2.S@2040.28,1984.09 2040.28,1954.72 2050,1945 2132.5,1945 ; Q4.D@2230.28,1876.81 2230.28,1929.72 2215,1945 2132.5,1945
  Bottom Layer w10: Q2.S@1940.28,1984.09 1940.28,1992.95 1955,2007.68 C36.1 ; *1.4@1994.57,2218.57 cw(c2019,2218.57) 2019,2243 2038,2243 ccw(c2038,2255) 2050,2255 2050,2320 cw(c2065,2320) 2065,2335 2080,2335 cw(c2080,2315) 2100,2315 2100,2230 ccw(c2120,2230) 2120,2210 2170,2210 ccw(c2168.11,2219.82) 2178.11,2219.78 2178.11,2240.47 2207.65,2270 2253.95,2270 2268.95,2285 v1(2271.11,2285) ; v1(2336.94,2399.12) 2464.12,2399.12 2475,2410 v1@2475,2440
  Bottom Layer w15: Q2.S@1940.28,1984.09 1990.28,1984.09 Q2.S@2040.28,1984.09
SCL: OLED1.10 R14.1 U1.58 | length 1694.7
  Top Layer w6: R14.1 2599.76,1214.76 OLED1.10
  Top Layer w8: v1(1925,1945) 1925.24,1945.24 1925.24,2258.27 U1.58 ; v1(2141.94,1594.12) v1(2321.94,1594.12) ; OLED1.10 2600.85,1426.09 2600.85,1568.03 v1(2601.94,1569.12)
  Bottom Layer w8: v1@1925,1942.29 v1(1925,1945) 2003.91,1945 2018.79,1930.12 2102.09,1930.12 2120,1912.21 2120,1615 v1@2140,1595 ; v1(2321.94,1594.12) 2575.88,1594.12 v1@2600,1570
SDA: OLED1.11 R12.1 U1.59 | length 1768.5
  Top Layer w6: R12.1 2626.16,1201.16 2626.16,1423.84 OLED1.11
  Top Layer w8: v1@1880,1940 1905.79,1965.79 U1.59 ; v1(1917.58,1590.76) 1919.21,1589.12 2032.76,1589.12 2046.88,1575 2340,1575 v1@2350,1565 ; OLED1.11 2628.66,1426.34 2628.66,1543.66 v1(2630,1545)
  Bottom Layer w8: v1(1881.94,1939.12) 1904,1917.06 1904,1606.88 1917.58,1593.3 v1(1917.58,1590.76) ; v1(2351.94,1564.12) 2482.76,1564.12 2501.88,1545 v1(2630,1545)
Select: U1.8 U8.8 | length 1292.9
  Top Layer w8: v1@1455,2405 1455,2385 1470,2370 1539.21,2370 1564.18,2394.96 v1(1586.1,2394.96) ; v1(1456.1,2714.96) U8.8 ; v1(1689,2042.37) 1691.71,2042.37 1698.45,2049.11 1734.77,2049.11 U1.8
  Bottom Layer w8: v1@1455,2715 1385,2715 1370,2700 1370,2605 1380,2595 1440,2595 1456.1,2578.9 v1(1456.1,2404.96) ; v1@1585,2395 1697.04,2395 1732.92,2359.12 1765.93,2359.12 1778.09,2346.96 1778.09,2322.84 1688.82,2233.56 1688.82,2042.55 v1(1689,2042.37)
SENSE_A: R11.2 U1.14 | length 1592.5
  Top Layer w10: v1@1685,1855 1685,1914.99 1701.4,1931.39 1735.15,1931.39 U1.14
  Bottom Layer w10: R11.2 1475,2155 1447,2127 1207,2127 1175,2095 1175,1980 1136,1941 1136,1759 1225,1670 1652.57,1670 ccw(c1652.57,1680) 1661.95,1676.52 1663.96,1681.96 cw(c1682.72,1675) 1671.68,1691.68 1690.52,1704.15 ccw(c1685,1712.49) 1695,1712.36 1695,1712.43 1695,1850 v1(1685,1860)
SENSE_B: R13.2 U1.15 | length 862.1
  Top Layer w8: U1.15 1766.06,1912.05 1769.83,1908.27 1771.61,1908.27 1784.88,1895 2040,1895 2080,1935 v1(2080,2110)
  Bottom Layer w8: v1(2080,2110) 2255,2110 2300,2155 2300,2200 R13.2
SR: *1.21 U1.10 | length 858.5
  Top Layer w8: U1.10 1795.47,2010.47 ccw(c1795.47,2030) 1815,2030 1815,2195 1760,2250 1665,2250 cw(c1665,2265) 1650,2265 1650,2350 cw(c1675,2350) 1675,2375 1865,2375 1883.26,2393.26 1883.26,2409.09 v1(1885.17,2411)
  Bottom Layer w8: v1(1885.17,2411) 1885.17,2413.71 1891.48,2420.01 1891.48,2455.26 *1.21
SWCLK: P1.2 U1.49 | length 938
  Top Layer w8: U1.49 2102.64,2288.63 2115,2300.99 v1@2115,2395
  Bottom Layer w8: v1(2116.94,2394.12) 2150,2427.18 2150,2565 2160,2575 2485,2575 2505,2555 2505,2406.63 2531.63,2380 P1.2
SWDIO: P1.3 U1.46 | length 606.6
  Top Layer w8: U1.46 2243.27,2148.27 2290.11,2195.11 2290.11,2345.11 v1@2315,2370
  Bottom Layer w8: v1(2316.94,2369.12) 2495.88,2369.12 2525,2340 2589.37,2340 P1.3
USART_RX: P2.3 U1.43 | length 429.5
  Top Layer w8: U1.43 2294.21,2089.21 v1@2320,2115
  Bottom Layer w8: v1(2321.94,2114.12) 2510.88,2114.12 2535,2090 2583.82,2090 P2.3
USART_TX: P2.2 U1.42 | length 654.1
  Top Layer w8: U1.42 2315.47,2069.53 v1@2320,2065
  Bottom Layer w8: v1(2321.94,2064.12) 2485.88,2064.12 2535,2015 2630,2015 2650,2035 2650,2110 2630.32,2129.68 P2.2
USB-PWR-DM: U2.5 USB1.A7 USB1.B7 | length 356.7
  Top Layer w10: USB1.A7 1890.16,2780.16 cw(c1910,2780.16) v1(1910,2800) cw(c1910,2780.47) 1929.53,2780.47 USB1.B7 ; U2.5 1955.32,2678.67 1975,2698.36 v1(1975,2700)
  Bottom Layer w10: v1(1910,2800) 1965,2800 1975,2790 v1(1975,2700)
USB-PWR-DP: U2.4 USB1.A6 USB1.B6 | length 250.9
  Top Layer w10: USB1.B6 1870.47,2725.53 ccw(c1890,2725.53) v1(1890,2706) ccw(c1890,2725.84) 1909.84,2725.84 USB1.A6 ; U2.4 1975.16,2631.66 1975.16,2669.84 v1(1975.32,2670)
  Bottom Layer w10: v1(1890,2706) 1939.32,2706 v1(1975.32,2670)
VBUS: D6.1 R1.1 U2.7 U2.8 U4.1 U4.3 USB1.A4 USB1.A9 USB1.B4 USB1.B9 | length 1546
  Top Layer w10: U4.1 ccw(c1653.54,2515.94) 1653.54,2480 1656.46,2480 ccw(c1656.46,2515.94) v1(1692.4,2515.94) ; R1.1 1745,2580 ccw(c1755,2580) 1755,2570 1832.39,2570 1845,2582.61 1845,2594.14 cw(c1850.86,2594.14) 1850.86,2600 1882.56,2600 U2.8 1884,2599.06 1885,2600.06 1885,2620 cw(c1896.5,2620) 1896.5,2631.5 U2.7 cw(c1915.94,2632.44) 1915,2632.44 v1(1915,2660)
  Top Layer w15: USB1.B4 1811.42,2786.42 cw(c1850,2786.42) 1850,2825 1900,2825 ; USB1.B9 1988.58,2786.42 ccw(c1950,2786.42) 1950,2825 1900,2825 ; D6.1 1940,2865 ccw(c1940,2825) 1900,2825
  Bottom Layer w10: v1(1692.4,2515.94) 1692.4,2527.6 ccw(c1665,2527.6) 1665,2555 cw(c1665,2585) 1635,2585 1635,2675 1635,2683.28 1646.84,2695.12 1792.55,2695.12 1801.21,2703.79 1810,2712.57 1810,2725 ; v1(1810,2760) 1810,2725 ; v1(1915,2660) ccw(c1889,2660) 1889,2686 1849,2686 cw(c1849,2725) 1810,2725
pads on no net: JP1.0 OLED1.1 OLED1.8 OLED1.13 P3.SH1 P3.SH2 Q1.7 Q1.9 Q1.10 Q1.11 Q2.7 Q2.9 Q2.10 Q2.11 Q3.7 Q3.9 Q3.10 Q3.11 Q4.7 Q4.9 Q4.10 Q4.11 U1.2 U1.3 U1.4 U1.22 U1.25 U1.26 U1.27 U1.33 U1.34 U1.35 U1.36 U1.38 U1.39 U1.40 U1.50 U1.51 U1.52 U1.53 U1.54 U1.56 U1.57 U1.61 U1.62 U2.1 U2.2 U2.6 U2.10 U2.11 U2.12 U2.13 U2.14 U2.15 U2.16 U2.17 U2.18 U2.19 U2.20 U2.21 U2.22 U2.23 U2.24 U2.27 U2.28 U3.1 U5.1 U6.4 U6.9 U6.10 U6.11 U6.12 U6.13 U6.14 U6.15 U7. U7.2 U7.3 U7.4 U7.5 U7.6 U7.7 U7.12 U7.14 U7.15 U7.16 U7.17 U7.19 U7.21 U7.22 USB1.0 USB1.A8 USB1.B8
copper on no net:
  other v2: 1870,1475 1250,2850 2525,2850

## Polygon pours and split planes (outlines as drawn)
no net on Top Layer "NONET_L01_P000" (none, pour order 0): 1000,1200 1000,3035 cw(c1015,3035) 1015,3050 2760,3050 cw(c2760,3035) 2775,3035 2775,1200 2575,1000 1200,1000
3V3 on PWR03 (split plane): 2754.9,1208.32 2566.68,1020.1 1208.32,1020.1 1020.1,1208.32 1020.1,3029.9 2754.9,3029.9
IS_B on GND02 (split plane): 2754.9,1208.32 2566.68,1020.1 1208.32,1020.1 1020.1,1208.32 1020.1,3029.9 2754.9,3029.9

## Keep-outs
Keep-Out Layer:
  the board outline again, w6

## Silkscreen, mask and mechanical layers (free items; w line width, h text height)
Top Overlay:
  lines w6: 1105,1225 2175,1219.93 ; 2375,2590 2450,2590
  lines w8: 1085,1225 1085,1345
  lines w15: 1065,1225 1065,1345
  text "CAN-PHY" at 1190,2995.67 h60
  text "POWER" at 1035,2700.67 h60
  text "9V" at 2380,2605.72 h60
  text "+" at 1240,2588.89 h120
  text "MOT" at 2639.28,2540 h60 r90
  text "SWD" at 2544.28,2320 h60 r90
  text "TOF" at 2529.28,2055 h60 r90
  text "IMU" at 1244.04,1815 h80 r90
  text "KEY" at 1050,1725 h80 r270
  text "音圈电机一体化闭环驱动 v1.0" at 1100,1305.66 h60
  text "2022.7.3 北京" at 1889.95,1304.53 h50
  text "0.80 OLED" at 2249.28,1240 h60 r90
  text "Voice coil motor integrated closed-loop driver" at 1105.06,1231.27 h60
  text "PC4" at 2235,1080.44 h40
  text "LED" at 2035,1035 h110
  text "PC6" at 2235,1035.48 h40